# Altium PCB ZYNQ_IPMC.PcbDoc (part 3 of 6)
Units mil, origin at the board's own origin, x right, y up, seen from the top; angles counter-clockwise.
Board outline 3228.35 x 1181.1 mil, 10 copper layers (Component Side, Ground Plane 1 (GND), Inner Layer 1, Inner Layer 2, Power Plane 1, Power Plane 2, Inner Layer 3, Inner Layer 4, Power Plane 3, Solder Side), stack 39.78 mil thick; 308 components, 335 nets, 1514 pads, 1113 vias.
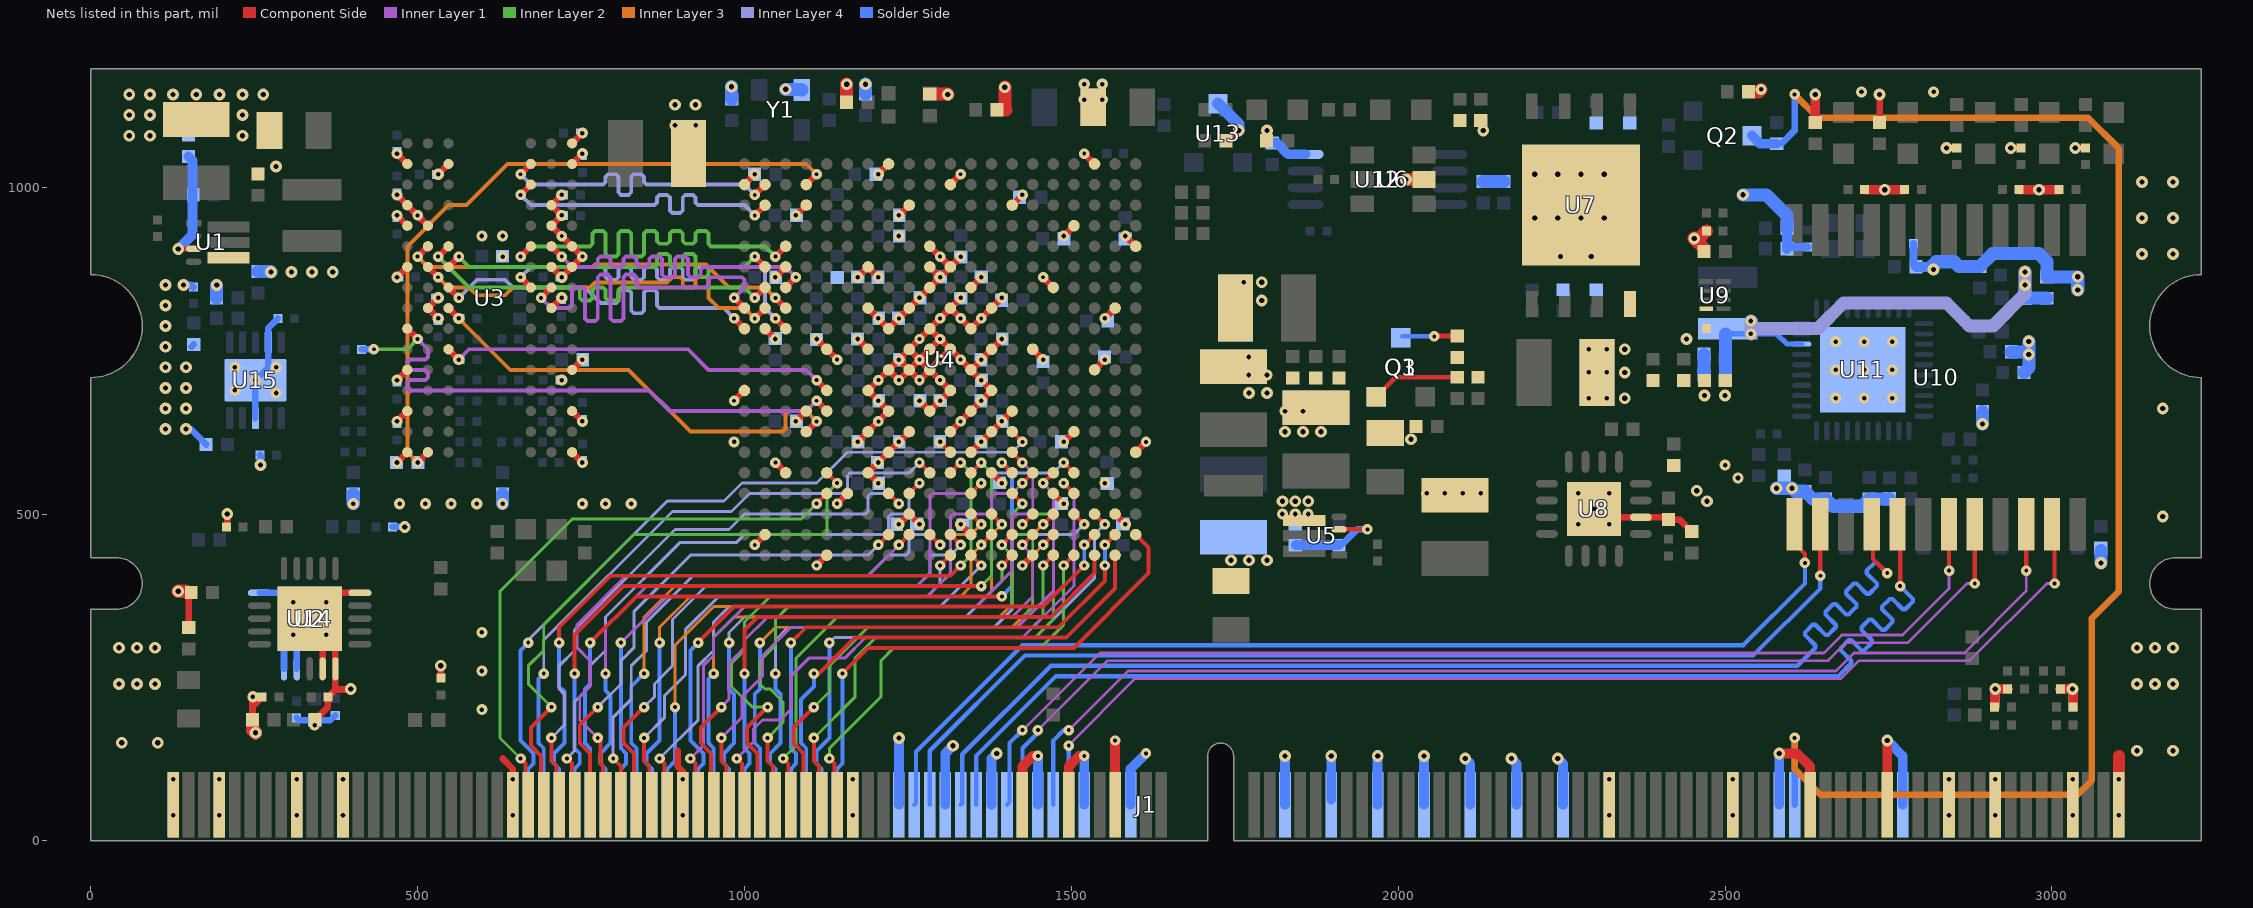
[diagram p11: the nets of this part, all layers, seen from the top]

## Via types
v1: diameter 16, hole 6, Component Side to Solder Side, tented both sides, 528 vias
v2: diameter 17, hole 7, Component Side to Solder Side, tented both sides, 302 vias
v3: diameter 18, hole 8, Component Side to Solder Side, tented both sides, 268 vias
v4: diameter 17, hole 7, Component Side to Solder Side, tented top, 13 vias
v5: diameter 16, hole 6, Component Side to Solder Side, tented top, 2 vias

## Nets (pads, with @x,y where several pads share a name; then routed paths per layer and width w, separated by ;. In a path a pad name is that pad's centre, name@x,y a point inside that pad or via, vN(x,y) a via of type N, cw(c..) or ccw(c..) an arc to the next point about the centre after c; other vN are vias at no path point) (continued)
DDR3_DQ9: U3.F7 U4.E3 | length 684.7
  Component Side w9.5: v1(657.48,893.7) U3.F7@673.23,909.45 ; v1(1047.24,893.7) U4.E3@1062.99,909.45
  Inner Layer 2 w6: v1(657.48,893.7) 673.23,909.45 763.78,909.45 767.72,913.39 767.72,929.13 771.65,933.07 783.46,933.07 787.4,929.13 787.4,897.64 791.34,893.7 803.15,893.7 807.09,897.64 807.09,929.13 811.02,933.07 822.83,933.07 826.77,929.13 826.77,897.64 830.71,893.7 842.52,893.7 846.46,897.64 846.46,929.13 850.39,933.07 862.2,933.07 866.14,929.13 866.14,917.32 870.08,913.39 881.89,913.39 885.83,917.32 885.83,929.13 889.76,933.07 901.57,933.07 905.51,929.13 905.51,917.32 909.45,913.39 921.26,913.39 925.2,917.32 925.2,929.13 929.13,933.07 940.94,933.07 944.88,929.13 944.88,913.39 948.82,909.45 1031.5,909.45 v1(1047.24,893.7)
DDR3_DQ10: U3.F8 U4.G3 | length 563.3
  Component Side w9.5: U3.F8@704.72,909.45 v1(720.47,893.7) ; U4.G3@1062.99,846.46 v1(1078.74,862.2)
  Inner Layer 1 w6: v1(720.47,893.7) 736.22,877.95 771.65,877.95 775.59,881.89 775.59,889.76 779.53,893.7 791.34,893.7 795.28,889.76 795.28,881.89 799.21,877.95 811.02,877.95 814.96,881.89 814.96,889.76 818.9,893.7 830.71,893.7 834.65,889.76 834.65,881.89 838.58,877.95 850.39,877.95 854.33,881.89 854.33,889.76 858.27,893.7 870.08,893.7 874.02,889.76 874.02,866.14 877.95,862.2 889.76,862.2 893.7,866.14 893.7,889.76 897.64,893.7 909.45,893.7 913.39,889.76 913.39,866.14 917.32,862.2 929.13,862.2 933.07,866.14 933.07,874.02 937.01,877.95 1062.99,877.95 v1(1078.74,862.2)
DDR3_DQ11: U3.F2 U4.H3 | length 621.1
  Component Side w9.5: v1(500,893.7) U3.F2@515.75,909.45 ; v1(1047.24,830.71) U4.H3@1062.99,814.96
  Inner Layer 3 w6: v1(500,893.7) 515.75,877.95 767.72,877.95 771.65,881.89 940.94,881.89 976.38,846.46 1031.5,846.46 v1(1047.24,830.71)
DDR3_DQ12: U3.H7 U4.J3 | length 628.6
  Component Side w9.5: v1(657.48,862.2) U3.H7@673.23,846.46 ; v1(1047.24,799.21) U4.J3@1062.99,783.46
  Inner Layer 4 w6: v1(657.48,862.2) 673.23,877.95 783.46,877.95 787.4,874.02 787.4,862.2 791.34,858.27 803.15,858.27 807.09,862.2 807.09,874.02 811.02,877.95 822.83,877.95 826.77,874.02 826.77,862.2 830.71,858.27 842.52,858.27 846.46,862.2 846.46,874.02 850.39,877.95 862.2,877.95 866.14,874.02 866.14,862.2 870.08,858.27 881.89,858.27 885.83,862.2 885.83,874.02 889.76,877.95 901.57,877.95 905.51,874.02 905.51,862.2 909.45,858.27 921.26,858.27 925.2,862.2 925.2,874.02 929.13,877.95 1027.56,877.95 1031.5,874.02 1031.5,814.96 v1(1047.24,799.21)
DDR3_DQ13: U3.G2 U4.H2 | length 616.1
  Component Side w9.5: U3.G2@515.75,877.95 v1(531.5,862.2) ; v1(1015.75,799.21) U4.H2@1031.5,814.96
  Inner Layer 3 w6: v1(531.5,862.2) 547.24,846.46 578.74,846.46 590.55,834.65 633.86,834.65 645.67,846.46 763.78,846.46 771.65,854.33 881.89,854.33 889.76,862.2 901.57,862.2 905.51,858.27 905.51,850.39 909.45,846.46 921.26,846.46 925.2,850.39 925.2,858.27 929.13,862.2 940.94,862.2 944.88,858.27 944.88,830.71 960.63,814.96 1000,814.96 v1(1015.75,799.21)
DDR3_DQ14: U3.H8 U4.H1 | length 696.2
  Component Side w9.5: v1(688.98,830.71) U3.H8@704.72,846.46 ; v1(984.25,830.71) U4.H1@1000,814.96
  Inner Layer 1 w6: v1(688.98,830.71) 704.72,814.96 732.28,814.96 736.22,818.9 736.22,842.52 740.16,846.46 751.97,846.46 755.91,842.52 755.91,799.21 759.84,795.28 771.65,795.28 775.59,799.21 775.59,862.2 779.53,866.14 791.34,866.14 795.28,862.2 795.28,799.21 799.21,795.28 811.02,795.28 814.96,799.21 814.96,862.2 818.9,866.14 830.71,866.14 834.65,862.2 834.65,850.39 838.58,846.46 940.94,846.46 944.88,850.39 944.88,858.27 948.82,862.2 996.06,862.2 1000,858.27 1000,846.46 v1(984.25,830.71)
DDR3_DQ15: U3.H3 U4.J1 | length 598.1
  Component Side w9.5: U3.H3@547.24,846.46 v1(562.99,830.71) ; v1(984.25,799.21) U4.J1@1000,783.46
  Inner Layer 4 w6: v1(562.99,830.71) 590.55,858.27 633.86,858.27 645.67,846.46 755.91,846.46 779.53,822.83 803.15,822.83 807.09,826.77 807.09,838.58 811.02,842.52 822.83,842.52 826.77,838.58 826.77,811.02 830.71,807.09 842.52,807.09 846.46,811.02 846.46,838.58 850.39,842.52 862.2,842.52 866.14,838.58 866.14,818.9 870.08,814.96 968.5,814.96 v1(984.25,799.21)
DDR3_DQS0_N: U3.B7 U4.B2 | length 491.9
  Component Side w9.5: v1(657.48,1019.68) U3.B7@673.23,1035.43 ; v1(1015.75,988.19) U4.B2@1031.5,1003.94
  Inner Layer 4 w6: v1(657.48,1019.68) 673.23,1003.94 783.46,1003.94 787.4,1007.87 787.4,1015.75 791.34,1019.68 803.15,1019.68 807.09,1015.75 807.09,992.13 811.02,988.19 822.83,988.19 826.77,992.13 826.77,1015.75 830.71,1019.68 842.52,1019.68 846.46,1015.75 846.46,1007.87 850.39,1003.94 1000,1003.94 v1(1015.75,988.19)
DDR3_DQS0_P: U3.C7 U4.C2 | length 484
  Component Side w9.5: v1(657.48,988.19) U3.C7@673.23,1003.94 ; v1(1015.75,956.69) U4.C2@1031.5,972.44
  Inner Layer 4 w6: v1(657.48,988.19) 673.23,972.44 862.2,972.44 866.14,976.38 866.14,984.25 870.08,988.19 881.89,988.19 885.83,984.25 885.83,964.57 889.76,960.63 901.57,960.63 905.51,964.57 905.51,984.25 909.45,988.19 921.26,988.19 925.2,984.25 925.2,976.38 929.13,972.44 1000,972.44 v1(1015.75,956.69)
DDR3_DQS1_N: U3.G3 U4.F2 | length 597.5
  Component Side w9.5: U3.G3@547.24,877.95 v1(562.99,893.7) ; v1(1015.75,893.7) U4.F2@1031.5,877.95
  Inner Layer 2 w6: v1(562.99,893.7) 578.74,877.95 862.2,877.95 866.14,881.89 866.14,893.7 870.08,897.64 881.89,897.64 885.83,893.7 885.83,881.89 889.76,877.95 901.57,877.95 905.51,881.89 905.51,893.7 909.45,897.64 921.26,897.64 925.2,893.7 925.2,866.14 929.13,862.2 940.94,862.2 944.88,866.14 944.88,874.02 948.82,877.95 1000,877.95 v1(1015.75,893.7)
DDR3_DQS1_P: U3.F3 U4.G2 | length 615.2
  Component Side w9.5: v1(531.5,893.7) U3.F3@547.24,909.45 ; v1(1015.75,830.71) U4.G2@1031.5,846.46
  Inner Layer 2 w6: v1(531.5,893.7) 578.74,846.46 744.09,846.46 748.03,842.52 748.03,830.71 751.97,826.77 763.78,826.77 767.72,830.71 767.72,842.52 771.65,846.46 783.46,846.46 787.4,842.52 787.4,830.71 791.34,826.77 803.15,826.77 807.09,830.71 807.09,842.52 811.02,846.46 1000,846.46 v1(1015.75,830.71)
DDR3_ODT: R114.1 U3.K1 U4.N5 | length 945.9
  Component Side w9.5: U3.K1@484.25,783.46 v1(500,767.72) ; v1(1110.24,673.23) U4.N5@1125.98,657.48
  Inner Layer 1 w6: v1(500,767.72) 515.75,751.97 515.75,740.16 511.81,736.22 488.19,736.22 484.25,732.28 484.25,724.41 488.19,720.47 511.81,720.47 515.75,716.54 515.75,708.66 511.81,704.72 488.19,704.72 484.25,700.79 484.25,692.91 488.19,688.98 854.33,688.98 885.83,657.48 1094.49,657.48 v1(1110.24,673.23)
  Inner Layer 2 w6: v1(433.07,751.97) 484.25,751.97 v1(500,767.72)
  Solder Side w9.5: R114.1@414.37,751.97 v1(433.07,751.97)
DDR3_RAS#: R107.1 U3.J3 U4.P4 | length 696.9
  Component Side w9.5: U3.J3@547.24,814.96 v2(562.99,799.21) ; U4.P4@1094.49,625.98 v1(1110.24,641.73)
  Inner Layer 3 w6: v2(562.99,799.21) 641.73,720.47 822.83,720.47 917.32,625.98 1059.06,625.98 1062.99,629.92 1062.99,653.54 1066.93,657.48 1094.49,657.48 v1(1110.24,641.73)
DDR3_RESET#: R108.2 U3.T2 U4.B4 | length 1066.5
  Component Side w9.5: v2(500,578.74) U3.T2@515.75,594.49 ; U4.B4@1094.49,1003.94 v1(1110.24,1019.68)
  Inner Layer 3 w6: v2(500,578.74) 484.25,594.49 484.25,909.45 547.24,972.44 574.8,972.44 637.8,1035.43 1094.49,1035.43 v1(1110.24,1019.68)
DDR3_WE#: R105.1 U3.L3 U4.M5 | length 617.9
  Component Side w9.5: U3.L3@547.24,751.97 v2(562.99,736.22) ; v1(1110.24,704.72) U4.M5@1125.98,688.98
  Inner Layer 1 w6: v2(562.99,736.22) 578.74,751.97 913.39,751.97 944.88,720.47 1094.49,720.47 v1(1110.24,704.72)
DONE: R79.1 U4.R11 | length 22.3
  Component Side w6.5: v4(1299.21,610.24) U4.R11@1314.96,594.49
DVDDL: C48.2 C59.2 C60.2 L5.1 L7.1 U11.38 | length 782.9
  Inner Layer 4 w20: v2(2539.37,775.59) v2@2539.37,783.46 ; v2(2539.37,795.28) v2@2539.37,783.46 ; v3(2958.66,870.08) v3(2958.66,850.39) 2958.66,836.61 2909.45,787.4 2874.02,787.4 2866.14,795.28 2838.58,822.83 2681.1,822.83 2641.73,783.46 v2@2539.37,783.46
  Solder Side w8: L7.1@2500.59,775.59 2503.94,775.59 v2(2539.37,775.59) 2578.74,775.59 2594.49,759.84 U11.38@2617.13,759.84
  Solder Side w20: C59.2@2500.59,712.6 C60.2@2500.59,744.09 L7.1@2500.59,775.59 ; v3(2958.66,870.08) v3(2958.66,850.39) L5.1@2958.66,830.71 2959.25,830.12 C48.2@2992.13,830.12
EN_3.3V_1: Q3.3 R17.1 | length 84.7
  Component Side w7: v1(2055.12,771.65) 2055.71,772.24 R17.1@2090.55,772.24
  Solder Side w7: Q3.3@2006.1,771.65 v1(2055.12,771.65)
EN_3.3V_IO: C28.2 Q1.1 R17.2 R18.2 | length 136.4
  Component Side w7: Q1.1@1966.54,679.33 1996.46,709.25 R18.2@2090.55,709.25
EXT_RST_N: J1.223 Q2.3 R62.2 | length 2277.4
  Inner Layer 3 w10: v1(2606.3,157.48) 2606.3,110.24 2645.67,70.87 3039.37,70.87 3061.02,92.52 3061.02,340.55 3102.36,381.89 3102.36,1059.06 3055.12,1106.3 2641.73,1106.3 v1(2606.3,1141.73)
  Solder Side w10: R62.2@2578.74,1066.34 2579.33,1066.93 2586.61,1066.93 2606.3,1086.61 v1(2606.3,1141.73) ; J1.223@2606.3,55.12 v1(2606.3,157.48)
  Solder Side w15: Q2.3@2541.14,1078.74 2553.54,1066.34 R62.2@2578.74,1066.34
FB_1.0: R72.1 R74.2 U5.3 | length 164.7
  Component Side w7: U5.3@1909.45,476.38 v1(1952.76,476.38)
  Solder Side w7: R74.2@1842.52,452.17 R74.2@1843.11,452.76 ; R72.1@1909.45,452.76 1915.35,452.76 R72.1@1915.35,454.72
  Solder Side w10: R72.1@1915.35,454.72 1937.01,476.38 v1(1952.76,476.38)
  Solder Side w15: R74.2@1843.11,452.76 R72.1@1909.45,452.76
FB_1.5: R118.1 R120.2 U1.3 | length 176.2
  Component Side w8: v3(133.86,905.51) U1.3@157.48,905.51
  Solder Side w15: v3(133.86,905.51) 155.51,927.17 155.51,988.19 155.51,1040.75 R120.2@149.61,1046.65
GB_A_N: J1.172 U10.14 | length 1650.8
  Component Side w6.5: v1(2645.67,405.51) 2645.67,470.27 2652.66,477.26 2653.35,477.95 U10.14@2647.64,483.66
  Solder Side w6.5: J1.172@1283.46,55.12 1283.46,137.8 1429.13,283.46 2542.92,283.46 2645.67,386.21 v1(2645.67,405.51)
GB_A_P: J1.171 U10.13 | length 1613.3
  Component Side w6.5: U10.13@2608.27,452.76 2622.05,438.98 v1(2622.05,425.2)
  Solder Side w6.5: J1.171@1259.84,55.12 1262.34,57.62 1262.34,136.36 1425.2,299.21 2527.56,299.21 2622.05,393.7 v1(2622.05,425.2)
GB_B_N: J1.175 U10.17 | length 1852.3
  Component Side w6.5: v1(2767.72,389.76) 2767.72,444.88 U10.17@2771.65,448.82
  Solder Side w6.5: J1.175@1354.33,55.12 1354.33,129.92 1476.38,251.97 2673.23,251.97 2692.91,271.65 2692.91,275.59 2677.17,291.34 2677.17,295.28 2688.98,307.09 2692.91,307.09 2708.66,291.34 2712.6,291.34 2724.41,303.15 2724.41,307.09 2708.66,322.83 2708.66,326.77 2720.47,338.58 2724.41,338.58 2740.16,322.83 2744.09,322.83 2755.91,334.65 2755.91,338.58 2740.16,354.33 2740.16,358.27 2751.97,370.08 2755.91,370.08 2771.65,354.33 2775.59,354.33 2787.4,366.14 2787.4,370.08 v1(2767.72,389.76) ; v1@2765.75,391.73 v1(2767.72,389.76) ; v1@2767.52,393.51 2767.72,393.32 v1(2767.72,389.76)
GB_B_P: J1.174 U10.16 | length 1887.7
  Component Side w6.5: U10.16@2726.38,483.66 2726.38,431.1 v1(2748.03,409.45)
  Solder Side w6.5: J1.174@1330.71,55.12 1333.21,57.62 1333.21,132.42 1468.5,267.72 2610.24,267.72 2637.8,295.28 2637.8,299.21 2622.05,314.96 2622.05,318.9 2633.86,330.71 2637.8,330.71 2653.54,314.96 2657.48,314.96 2669.29,326.77 2669.29,330.71 2653.54,346.46 2653.54,350.39 2665.35,362.2 2669.29,362.2 2685.04,346.46 2688.98,346.46 2700.79,358.27 2700.79,362.2 2685.04,377.95 2685.04,381.89 2696.85,393.7 2700.79,393.7 2716.54,377.95 2720.47,377.95 2732.28,389.76 2732.28,393.7 2716.54,409.45 2716.54,413.39 2728.35,425.2 2732.28,425.2 v1(2748.03,409.45)
GB_C_N: J1.178 U10.20 | length 1740.5
  Component Side w6.5: v1(2881.89,393.7) U10.20@2881.89,484.25
  Inner Layer 1 w4: v1(1448.82,169.29) 1555.12,275.59 2657.48,275.59 2685.04,303.15 2779.53,303.15 2870.08,393.7 v1(2881.89,393.7)
  Solder Side w6.5: J1.178@1425.2,55.12 1425.2,141.73 1448.82,165.35 v1(1448.82,169.29)
GB_C_P: J1.177 U10.19 | length 1729.4
  Component Side w6.5: v1(2842.52,413.39) U10.19@2842.52,484.25
  Inner Layer 1 w4: v1(1425.2,169.29) 1426.01,169.29 1544.12,287.4 2651.02,287.4 2678.58,314.96 2771.65,314.96 2842.52,385.83 v1(2842.52,413.39)
  Solder Side w6.5: J1.177@1401.57,55.12 1405.51,59.05 1405.51,149.61 v1(1425.2,169.29)
GB_D_N: J1.181 U10.23 | length 1793.8
  Component Side w6.5: U10.23@3000,484.25 3003.94,480.32 v1(3003.94,393.7)
  Inner Layer 1 w4: v1(1496.06,145.67) 1496.06,146.48 1597.61,248.03 2677.17,248.03 2704.72,275.59 2874.02,275.59 2992.13,393.7 v1(3003.94,393.7)
  Solder Side w6.5: J1.181@1496.06,55.12 v1(1496.06,145.67)
GB_D_P: J1.180 U10.22 | length 1784.6
  Component Side w6.5: v1(2960.63,413.39) U10.22@2960.63,484.25
  Inner Layer 1 w4: v1(1496.06,169.29) 1586.61,259.84 2669.29,259.84 2696.85,287.4 2866.14,287.4 2960.63,381.89 v1(2960.63,413.39)
  Solder Side w6.5: J1.180@1472.44,55.12 1472.44,153.54 1488.19,169.29 v1@1493.54,169.29 ; v1@1493.54,166.77 v1(1496.06,169.29)
GND: C1.2 C2.1 C3.1 C4.1 C5.2 C6.1 C7.1 C8.1 C9.1 C10.1 C11.2 C12.2 C13.2 C14.2 C15.1 C16.2 C17.2 C18.2 C19.2 C20.2 C21.2 C22.2 C23.2 C24.1 C25.2 C26.2 C27.2 C29.2 C30.2 C31.1 C32.2 C33.2 C34.2 C35.1 C36.1 C37.1 C38.2 C39.2 C40.2 C41.2 C42.1 C43.2 C44.1 C45.2 C46.1 C47.1 C48.1 C49.1 C50.1 C51.1 C52.1 C53.1 C54.1 C55.1 C56.1 C57.1 C58.1 C59.1 C60.1 C61.2 C62.2 C63.2 C64.2 C65.2 C66.2 C67.2 C68.2 C69.2 C70.2 C71.2 C72.2 C73.2 C74.2 C75.2 C76.2 C77.2 C78.2 C79.2 C80.2 C81.2 C82.2 C83.2 C84.2 C85.2 C86.2 C87.2 C88.2 C89.2 C90.2 C91.1 C92.2 C93.2 C94.2 C95.2 C96.2 C97.2 C98.2 C99.2 C100.2 C101.2 C102.2 C103.2 C104.2 C105.2 C106.2 C107.2 C108.2 C109.2 C110.1 C111.1 C112.2 C113.2 C114.2 C115.2 C116.2 C117.1 C118.2 C119.2 C120.2 C121.2 C122.2 C123.2 C124.2 C125.1 C126.2 C127.1 C128.1 C129.2 C130.2 C131.1 C132.2 C133.2 C134.2 C135.2 C136.2 C137.2 C138.1 C139.1 C140.1 C141.1 C142.1 C143.1 C144.1 C145.1 C146.1 C147.1 C148.1 C149.1 J1.1 J1.4 J1.9 J1.12 J1.23 J1.34 J1.45 J1.56 J1.59 J1.62 J1.89 J1.97 J1.102 J1.107 J1.111 J1.114 J1.119 J1.122 J1.123 J1.126 J1.131 J1.134 J1.145 J1.156 J1.167 J1.170 J1.173 J1.176 J1.179 J1.182 J1.185 J1.190 J1.193 J1.196 J1.199 J1.202 J1.205 J1.208 J1.211 J1.219 J1.222 J1.230 J1.233 J1.236 J1.241 J1.244 Q3.2 R3.1 R8.2 R21.1 R22.2 R24.2 R25.2 R30.1 R31.1 R34.1 R37.1 R41.1 R42.1 R44.1 R47.1 R55.2 R57.1 R59.1 R60.1 R61.1 R66.1 R67.1 R68.1 R69.1 R74.1 R81.1 R84.1 R86.1 R88.1 R108.1 R119.1 R120.1 U1.5 U2.4 U2.5 U2.10 U2.21 U3.A9 U3.B1 U3.B3 U3.B9 U3.D1 U3.D8 U3.E1 U3.E2 U3.E8 U3.F9 U3.G1 U3.G8 U3.G9 U3.J2 U3.J8 U3.M1 U3.M9 U3.P1 U3.P9 U3.T1 U3.T9 U4.A8 U4.A18 U4.B1 U4.B11 U4.C4 U4.C9 U4.C14 U4.D17 U4.E10 U4.E20 U4.F3 U4.F7 U4.F10 U4.F11 U4.G10 U4.G12 U4.G16 U4.H7 U4.H9 U4.H11 U4.H13 U4.H19 U4.J2 U4.J8 U4.J10 U4.J12 U4.K5 U4.K7 U4.K9 U4.K10 U4.K11 U4.K13 U4.K15 U4.L8 U4.L9 U4.L10 U4.L12 U4.L18 U4.M1 U4.M7 U4.M11 U4.M13 U4.N4 U4.N8 U4.N10 U4.N12 U4.N14 U4.P7 U4.P9 U4.P11 U4.P13 U4.P17 U4.R8 U4.R12 U4.R20 U4.T3 U4.T7 U4.T13 U4.U6 U4.U16 U4.V9 U4.V19 U4.W2 U4.W12 U4.Y5 U4.Y15 U5.5 U6.2 U7.4 U7.9 U8.6 U8.17 U9.4 U11.41 U12.4 U13.3 U14.4 U14.5 U14.10 U14.21 U15.4 U15.8 U15.11 Y1.2 | length 8385.2
  Component Side w10: R3.1@150,326.34 C2.1@150,377.72 ; C3.1@207.68,480.31 208.66,481.3 v3(208.66,500) v3@207.68,499.02 ; C4.1@247.44,185.04 247.44,205.24 ; C7.1@257.32,215.12 255.35,213.15 247.44,205.24 ; C8.1@343.11,185.04 362.8,204.72 C9.1@362.8,220 374.37,231.57 ; U2.4@354.68,263.23 354.68,315 U2.21@354.68,318.35 ; v3(397.64,232.28) 396.93,231.57 374.37,231.57 ; U2.10@411.77,379.37 374.37,379.37 v2(360,365) v2(335,340) 356.65,318.35 v2(360,315) 374.37,300.63 U2.5@374.37,263.23 374.37,231.57 ; v2(468.5,578.74) U3.T1@484.25,594.49 ; v2(468.5,641.73) U3.P1@484.25,657.48 ; v2(468.5,704.72) U3.M1@484.25,720.47 ; v2(468.5,862.2) U3.G1@484.25,877.95 ; v2(468.5,956.69) U3.E1@484.25,940.94 ; v2(468.5,988.19) U3.D1@484.25,972.44 v1(500,956.69) U3.E2@515.75,940.94 ; v2(468.5,1051.18) U3.B1@484.25,1035.43 ; v2(531.5,799.21) U3.J2@515.75,814.96 v2(531.5,830.71) ; v2(531.5,1019.68) U3.B3@547.24,1035.43 ; C10.1@535.43,249.02 v3(535.43,267.72) ; 629.92,125.98 645.67,110.24 v2(645.67,94.49) ; U3.J8@704.72,814.96 v2(720.47,830.71) ; U3.G8@704.72,877.95 v2(720.47,862.2) U3.G9@736.22,877.95 v1(751.97,893.7) U3.F9@736.22,909.45 v1(720.47,925.2) U3.E8@704.72,940.94 v2(720.47,956.69) U3.D8@704.72,972.44 v2(720.47,988.19) ; U3.T9@736.22,594.49 v2(751.97,578.74) ; U3.P9@736.22,657.48 v2(751.97,641.73) ; U3.M9@736.22,720.47 v2(751.97,736.22) ; U3.B9@736.22,1035.43 v2(751.97,1051.18) ; U3.A9@736.22,1066.93 v2(751.97,1082.68) ; 897.64,137.8 897.64,114.17 905.51,106.3 v2(905.51,94.49) J1.34@905.51,55.12 ; v1(984.25,673.23) U4.M1@1000,688.98 ; U4.B1@1000,1003.94 v2(1015.75,1019.68) ; v1(1015.75,452.76) U4.W2@1031.5,468.5 ; U4.J2@1031.5,783.46 v2(1047.24,767.72) ; v1(1047.24,578.74) U4.T3@1062.99,562.99 ; v2(1047.24,862.2) U4.F3@1062.99,877.95 ; v2(1078.74,641.73) U4.N4@1094.49,657.48 ; v2(1078.74,956.69) U4.C4@1094.49,972.44 ; v1(1110.24,421.26) U4.Y5@1125.98,437.01 ; v2(1110.24,767.72) U4.K5@1125.98,751.97 v1(1141.73,736.22) ; v1(1141.73,515.75) U4.U6@1157.48,531.5 ; v2(1165.35,39.37) J1.45@1165.35,55.12 v2(1165.35,94.49) ; v2(1173.23,610.24) U4.P7@1188.98,625.98 v1(1204.72,641.73) U4.N8@1220.47,657.48 v2(1204.72,673.23) U4.M7@1188.98,688.98 v1(1204.72,704.72) U4.L8@1220.47,720.47 ; v2(1173.23,767.72) U4.K7@1188.98,751.97 ; v2(1173.23,862.2) U4.F7@1188.98,877.95 v2(1204.72,862.2) ; U4.H7@1188.98,814.96 v2(1204.72,799.21) U4.J8@1220.47,783.46 v1(1236.22,799.21) U4.H9@1251.97,814.96 v2(1267.72,830.71) U4.G10@1283.46,846.46 v2(1299.21,862.2) ; v2(1204.72,547.24) U4.T7@1188.98,562.99 v2(1204.72,578.74) U4.R8@1220.47,594.49 v2(1236.22,610.24) U4.P9@1251.97,625.98 ; v2(1204.72,1019.68) U4.A8@1220.47,1035.43 ; v2(1236.22,484.25) U4.V9@1251.97,500 v2(1267.72,484.25) ; v2(1236.22,956.69) U4.C9@1251.97,972.44 ; v2(1267.72,673.23) U4.N10@1283.46,657.48 v2(1299.21,673.23) U4.M11@1314.96,688.98 v1(1299.21,704.72) U4.L10@1283.46,720.47 ; U4.F10@1283.46,877.95 v2(1299.21,862.2) ; U4.E10@1283.46,909.45 v1(1299.21,893.7) U4.F11@1314.96,877.95 ; U4.P11@1314.96,625.98 v1(1330.71,641.73) U4.N12@1346.46,657.48 v2(1362.2,673.23) U4.M13@1377.95,688.98 v2(1362.2,704.72) U4.L12@1346.46,720.47 ; U4.B11@1314.96,1003.94 v1(1330.71,1019.68) ; v2(1330.71,484.25) U4.W12@1346.46,468.5 ; v2(1330.71,830.71) U4.H11@1314.96,814.96 ; v2(1330.71,893.7) U4.F11@1314.96,877.95 ; U4.R12@1346.46,594.49 v2(1362.2,610.24) U4.P13@1377.95,625.98 v2(1393.7,641.73) U4.N14@1409.45,657.48 ; U4.G12@1346.46,846.46 v2(1362.2,862.2) ; U4.T13@1377.95,562.99 v2(1393.7,547.24) ; v2(1393.7,767.72) U4.K13@1377.95,751.97 v2(1362.2,736.22) U4.L12@1346.46,720.47 ; v2(1393.7,830.71) U4.H13@1377.95,814.96 v1(1362.2,799.21) U4.J12@1346.46,783.46 v1(1330.71,799.21) U4.H11@1314.96,814.96 ; U4.C14@1409.45,972.44 v2(1425.2,988.19) ; v1(1425.2,421.26) U4.Y15@1440.94,437.01 ; U4.K15@1440.94,751.97 v2(1456.69,736.22) ; v1(1456.69,862.2) U4.G16@1472.44,846.46 ; U4.U16@1472.44,531.5 v2(1488.19,515.75) ; v2(1488.19,610.24) U4.P17@1503.94,625.98 ; v2(1488.19,925.2) U4.D17@1503.94,940.94 ; v1(1519.68,1051.18) U4.A18@1535.43,1035.43 ; U4.L18@1535.43,720.47 v2(1551.18,736.22) ; v2(1551.18,799.21) U4.H19@1566.93,814.96 ; U4.V19@1566.93,500 v2(1582.68,484.25) ; v2(1582.68,925.2) U4.E20@1598.43,909.45 ; U4.R20@1598.43,594.49 v1(1614.17,610.24) ; C15.1@1736.81,1070.87 1740.16,1070.87 v3(1755.91,1086.61) ; v2(2299.21,507.87) 2312.01,495.08 2322.83,495.08 U8.6@2371.06,495.08 2409.84,495.08 C32.2@2413.39,491.54 2430.31,491.54 C33.2@2448.82,473.03 ; R25.2@2736.22,1099.02 v3(2736.22,1141.73) ; v3(2838.58,1060.04) C42.1@2854.33,1060.04 ; v3(2937.01,1060.04) C44.1@2952.76,1060.04 ; v3(3035.43,1060.04) C46.1@3051.18,1060.04 ; 247.44,205.24 247.44,217.13 246.06,218.5 244.57,220 245.04,220.47 v2(248.03,220.47) C7.1@261.73,220.47 ; C7.1@261.73,220.47 C7.1@262.2,220 C7.1@261.73,220.47 ; U4.L8@1220.47,720.47 v1(1236.22,704.72) U4.L9@1251.97,720.47 ; U4.L8@1220.47,720.47 v2(1236.22,736.22) ; v2(1236.22,736.22) U4.L9@1251.97,720.47 ; v2(1236.22,736.22) U4.K9@1251.97,751.97 ; U4.L9@1251.97,720.47 v1(1267.72,704.72) U4.L10@1283.46,720.47 ; U4.L9@1251.97,720.47 v1(1267.72,736.22) ; U4.K9@1251.97,751.97 v1(1267.72,767.72) U4.J10@1283.46,783.46 ; U4.K9@1251.97,751.97 v1(1267.72,736.22) ; v1(1267.72,736.22) U4.K10@1283.46,751.97 v1(1299.21,767.72) ; v1(1267.72,736.22) U4.L10@1283.46,720.47 ; U4.L10@1283.46,720.47 v1(1299.21,736.22) U4.K11@1314.96,751.97 ; U4.J10@1283.46,783.46 v1(1299.21,767.72) ; U4.J10@1283.46,783.46 v1(1299.21,799.21) U4.H11@1314.96,814.96 ; v1(1299.21,767.72) U4.K11@1314.96,751.97 ; v2(1299.21,862.2) U4.F11@1314.96,877.95 ; U4.K11@1314.96,751.97 v1(1330.71,736.22) U4.L12@1346.46,720.47
  Component Side w12: J1.23@645.67,55.12 v2(645.67,94.49) ; v2(905.51,39.37) J1.34@905.51,55.12
  Component Side w14: C40.2@2713.58,996.06 v3(2744.09,996.06) C41.2@2774.61,996.06 ; C43.2@2949.8,996.06 v3(2980.31,996.06) C45.2@3010.83,996.06
  Component Side w15: v2(125.98,39.37) J1.1@125.98,55.12 v2(125.98,94.49) ; v2(196.85,39.37) J1.4@196.85,55.12 v2(196.85,94.49) ; v2(314.96,39.37) J1.9@314.96,55.12 v2(314.96,94.49) ; v2(385.83,39.37) J1.12@385.83,55.12 ; J1.56@1425.2,55.12 1425.2,114.17 1440.94,129.92 v1(1448.82,129.92) ; J1.59@1496.06,55.12 1496.06,114.17 1511.81,129.92 v1(1519.69,129.92) ; J1.62@1566.93,55.12 v1(1566.93,153.54) ; v3(2582.68,133.86) 2610.24,133.86 2629.92,114.17 J1.102@2629.92,55.12 ; R24.2@2637.8,1099.02 v3(2637.8,1141.73) ; J1.107@2748.03,55.12 v3(2748.03,153.54) ; R30.1@2912.4,204.72 2912.4,231.3 v3(2913.39,232.28) R31.1@2932.09,232.28 ; R34.1@3012.8,232.28 v3(3031.5,232.28) 3032.48,231.3 R37.1@3032.48,204.72
  Component Side w18: J1.122@3102.36,55.12 v2(3102.36,94.49) 3102.36,129.92
  Component Side w20: v3(133.86,381.89) 145.83,381.89 C2.1@150,377.72 ; C4.1@247.44,185.04 247.44,169.88 v3(251.97,165.35) ; C12.2@1156.3,1129.92 v3(1156.3,1157.48) ; C13.2@1283.46,1142.32 1310.43,1142.32 v3(1311.02,1141.73) ; v3(1398.23,1152.95) 1398.23,1119.49 1399.61,1118.11 ; v3(2011.81,1011.81) U6.2@2039.37,1011.81 ; v3@2452.17,921.85 v3(2452.76,921.26) ; C35.1@2467.91,901.57 2467.91,906.1 v3(2452.76,921.26) ; C37.1@2471.46,933.07 2459.65,921.26 v3(2452.76,921.26) ; C39.2@2536.02,1145.67 2551.18,1145.67 v2(2555.12,1149.61)
  Solder Side w10: v3(141.73,850.39) 152.56,850.39 156.5,846.46 C149.1@157.48,847.44 ; v3(145.67,629.92) 152.95,629.92 C148.1@176.57,606.3 ; R119.1@154.13,755.91 R119.1@157.48,759.25 ; v3@192.32,849.8 v3(192.91,850.39) ; v3@247.44,165.94 248.03,165.35 v3(251.97,165.35) ; U15.8@251.97,646.65 v2(251.97,704.72) 271.65,724.41 U15.4@271.65,762.8 271.65,784.45 C143.1@286.42,799.21 ; v3@255.91,574.8 v3(259.84,574.8) 259.84,589.57 C144.1@258.86,590.55 ; U14.10@258.23,379.37 295.63,379.37 v2(310,365) 313.35,361.65 v2(335,340) 315.31,320.32 315.31,315 U14.4@315.31,263.23 ; U14.5@295.63,263.23 295.63,300.63 v2(310,315) U14.21@313.35,318.35 ; C142.1@314.96,187.99 318.5,184.45 C141.1@342.52,184.45 ; v2(342.52,177.17) C141.1@342.52,184.45 ; C140.1@374.02,191.93 366.54,184.45 C141.1@342.52,184.45 ; C138.1@461.61,480.31 v3(480.31,480.32) ; C125.1@717.52,704.72 v2(720.47,704.72)
  Solder Side w12: v2(645.67,39.37) J1.145@645.67,55.12 v2(645.67,94.49) ; C57.1@2594.49,905.51 2597.44,908.46 C56.1@2625.98,908.46 ; C55.1@2788.39,913.39 2788.39,881.5 R55.2@2791.93,877.95
  Solder Side w15: J1.134@385.83,55.12 v2(385.83,94.49) ; J1.170@1236.22,55.12 v3(1236.22,157.48) ; J1.173@1307.09,55.12 1307.09,133.86 v3(1318.9,145.67) ; J1.176@1377.95,55.12 1377.95,125.98 v3(1385.83,133.86) ; J1.179@1448.82,55.12 v1(1448.82,129.92) ; J1.182@1519.69,55.12 v1(1519.69,129.92) ; J1.185@1590.55,55.12 1590.55,110.24 v1(1614.17,133.86) ; v3(1799.21,1086.61) 1799.21,1075.39 C66.2@1807.09,1067.52 1814.37,1067.52 1831.69,1050.2 U12.4@1858.27,1050.2 ; J1.190@1826.77,55.12 v3(1826.77,129.92) ; J1.193@1897.64,62.99 v3(1897.64,129.92) ; J1.196@1968.5,55.12 v3(1968.5,129.92) ; J1.199@2039.37,55.12 v3(2039.37,129.92) ; v3(2102.36,125.98) 2110.24,118.11 J1.202@2110.24,55.12 ; v3(2173.23,125.98) 2181.1,118.11 J1.205@2181.1,55.12 ; v3(2244.09,125.98) 2251.97,118.11 J1.208@2251.97,55.12 ; J1.222@2582.68,55.12 v3(2582.68,133.86) ; C57.1@2594.49,905.51 C58.1@2594.49,937.01 ; v3(2748.03,153.54) 2771.65,129.92 J1.230@2771.65,55.12 ; R55.2@2791.93,877.95 v3@2814.96,877.95 ; R47.1@2912.4,204.72 2912.4,231.3 v3(2913.39,232.28) R44.1@2932.09,232.28 ; R42.1@3012.8,232.28 v3(3031.5,232.28) 3032.48,231.3 R41.1@3032.48,204.72
  Solder Side w18: U13.3@1724.41,1127.76 1755.91,1096.26 v3(1755.91,1086.61)
  Solder Side w20: C147.1@192.32,830.71 v3@192.32,849.8 ; C145.1@247.44,185.04 247.44,169.88 v3(251.97,165.35) ; C146.1@255.91,870.67 275,870.67 v3(275.59,870.08) ; v2(401.57,515.75) C139.1@401.57,530.91 ; v2(629.92,515.75) C127.1@629.92,530.91 ; C117.1@980.31,1134.45 v3(980.31,1153.54) ; v3(1062.99,1149.61) 1086.61,1149.61 Y1.2@1087.6,1148.62 ; C109.2@1185.04,1142.32 v3(1185.04,1157.48) ; C63.2@2129.92,1008.46 C62.2@2161.42,1008.46 ; C59.1@2467.91,712.6 C60.1@2467.91,744.09 ; v3(2527.56,988.19) 2562.99,988.19 2594.49,956.69 C58.1@2594.49,937.01 ; v3(2578.74,539.37) 2590.55,539.37 v3(2602.36,539.37) 2606.89,534.84 R60.1@2622.05,534.84 2633.86,523.03 R59.1@2653.54,523.03 2654.13,523.03 2665.35,511.81 2709.25,511.81 R57.1@2720.47,523.03 2750.79,523.03 C54.1@2751.38,523.62 ; v3@2814.96,877.95 2822.83,885.83 2850.39,885.83 2857.68,878.54 C53.1@2889.76,878.54 2909.45,898.23 C51.1@2921.26,898.23 2979.72,898.23 2992.13,885.83 C48.1@2992.13,862.8 v3(3039.37,862.8) v3(3039.37,842.52) ; v3(2893.7,637.8) C52.1@2893.7,656.89 ; C50.1@2937.6,748.03 2960.63,748.03 v3(2964.57,744.09) ; C49.1@2957.28,716.54 2964.57,723.82 v3(2964.57,744.09) ; v3(2964.57,763.78) v3(2964.57,744.09) ; v3(3074.8,425.2) C47.1@3074.8,444.29
  other v2: 2322.83,39.37 2511.81,39.37 2842.52,39.37 2913.39,39.37 3031.5,39.37 3102.36,39.37 2322.83,94.49 2511.81,94.49 2842.52,94.49 2913.39,94.49 3031.5,94.49 598.43,200.79 598.43,259.84 310,315 360,315 598.43,318.9 310,365 360,365 2275.59,484.25 2322.83,484.25 1822.83,500 1842.52,500 1862.2,500 472.44,515.75 511.81,515.75 551.18,515.75 590.55,515.75 751.97,515.75 787.4,515.75 826.77,515.75 2043.31,531.5 2070.87,531.5 2098.43,531.5 2125.98,531.5 2275.59,531.5 2322.83,531.5 1551.18,547.24 2519.68,555.12 2500,574.8 984.25,610.24 1826.77,657.48 1854.33,657.48 2291.34,677.17 2318.9,677.17 2669.29,677.17 2712.6,677.17 2755.91,677.17 283.46,685.04 220.47,688.98 1771.65,712.6 1799.21,712.6 2291.34,716.54 2318.9,716.54 2669.29,720.47 2712.6,720.47 2755.91,720.47 220.47,724.41 283.46,724.41 1771.65,740.16 2291.34,751.97 2318.9,751.97 2669.29,763.78 2712.6,763.78 2755.91,763.78 1763.78,854.33 629.92,893.7 598.43,925.2 629.92,925.2 1236.22,925.19 893.7,1094.49 925.2,1094.49 1519.68,1133.86 1547.24,1133.86 2708.66,1145.67 2818.9,1145.67 1519.68,1157.48 1547.24,1157.48
  other v3: 3129.92,137.8 3185.04,137.8 47.44,150 102.56,150 43.31,240.16 70.87,240.16 98.43,240.16 3129.92,240.16 3157.48,240.16 3185.04,240.16 43.31,295.28 70.87,295.28 98.43,295.28 3129.92,295.28 3157.48,295.28 3185.04,295.28 1744.09,429.13 1771.65,429.13 1799.21,429.13 3169.29,496.06 1822.83,519.68 1842.52,519.68 1862.2,519.68 2472.44,519.68 2456.69,535.43 2019.68,614.17 1826.77,625.98 1854.33,625.98 1881.89,625.98 114.17,629.92 114.17,661.42 145.67,661.42 3169.29,661.42 2346.46,677.17 2468.5,681.1 2500,681.1 1771.65,685.04 1799.21,685.04 114.17,692.91 145.67,692.91 2346.46,716.54 114.17,724.41 145.67,724.41 2346.46,751.97 114.17,755.91 2440.94,767.72 114.17,787.4 114.17,818.9 1791.34,826.77 114.17,850.39 1791.34,854.33 307.09,870.08 338.58,870.08 370.08,870.08 2818.9,874.02 2248.03,893.7 2295.28,893.7 3137.8,897.64 3185.04,897.64 2208.66,952.76 2244.09,952.76 2279.53,952.76 2314.96,952.76 3137.8,952.76 3185.04,952.76 3137.8,1007.87 3185.04,1007.87 2208.66,1019.68 2244.09,1019.68 2279.53,1019.68 2314.96,1019.68 283.46,1031.5 59.06,1078.74 90.55,1078.74 232.28,1078.74 2129.92,1086.61 59.06,1110.24 90.55,1110.24 232.28,1110.24 893.7,1125.98 925.2,1125.98 59.06,1141.73 90.55,1141.73 125.98,1141.73 161.42,1141.73 196.85,1141.73 232.28,1141.73 263.78,1141.73
GPIO_0: J1.24 U4.U5 | length 906.7
  Component Side w6: v1(657.48,125.98) 665.35,118.11 665.35,59.06 J1.24@669.29,55.12 ; v1(1110.24,515.75) U4.U5@1125.98,531.5
  Inner Layer 2 w4.5: v1(657.48,125.98) 625.98,157.48 625.98,381.89 736.22,492.13 1086.61,492.13 v1(1110.24,515.75)
GPIO_1: J1.146 U4.P14 | length 1172
  Component Side w6: U4.P14@1409.45,625.98 v1(1425.2,610.24)
  Inner Layer 4 w4.5: v1(669.29,303.15) 669.29,307.09 881.89,519.68 968.5,519.68 996.06,547.24 1110.24,547.24 1157.48,594.49 1409.45,594.49 v1(1425.2,610.24)
  Solder Side w6: J1.146@669.29,55.12 669.29,110.24 677.17,118.11 677.17,133.86 657.48,153.54 657.48,291.34 v1(669.29,303.15)
GPIO_2: J1.25 U4.T5 | length 916.6
  Component Side w6: J1.25@692.91,55.12 688.98,59.06 688.98,129.92 673.23,145.67 673.23,173.23 v1(704.72,204.72) ; U4.T5@1125.98,562.99 v1(1141.73,547.24)
  Inner Layer 2 w4.5: v1(704.72,204.72) 669.29,240.16 669.29,267.72 692.91,291.34 692.91,330.71 830.71,468.5 1122.05,468.5 1125.98,472.44 1125.98,531.5 v1(1141.73,547.24)
GPIO_3: J1.147 U4.T10 | length 981.9
  Component Side w6: v1(1267.72,578.74) U4.T10@1283.46,562.99
  Inner Layer 4 w4.5: v1(692.91,255.91) 692.91,307.09 889.76,503.94 980.31,503.94 1007.87,531.5 1153.54,531.5 1157.48,535.43 1157.48,559.06 1161.42,562.99 1251.97,562.99 v1(1267.72,578.74)
  Solder Side w6: J1.147@692.91,55.12 692.91,141.73 685.04,149.61 685.04,248.03 v1(692.91,255.91)
GPIO_4: J1.26 U4.U8 | length 918.9
  Component Side w6: v1(704.72,157.48) 704.72,122.05 712.6,114.17 712.6,59.06 J1.26@716.54,55.12 ; U4.U8@1220.47,531.5 v1(1236.22,515.75)
  Inner Layer 4 w4.5: v1(704.72,157.48) 724.41,177.17 724.41,224.41 716.54,232.28 716.54,267.72 740.16,291.34 740.16,322.83 893.7,476.38 976.38,476.38 1000,500 1185.04,500 1188.98,503.94 1188.98,527.56 1192.91,531.5 1220.47,531.5 v1(1236.22,515.75)
GPIO_5: J1.148 U4.T11 | length 1130.8
  Component Side w6: v1(716.54,303.15) 716.54,326.77 795.28,405.51 1314.96,405.51 v1(1330.71,421.26) ; U4.T11@1314.96,562.99 v1(1330.71,578.74)
  Inner Layer 2 w4.5: v1(1330.71,421.26) 1346.46,437.01 1346.46,562.99 v1(1330.71,578.74)
  Solder Side w6: J1.148@716.54,55.12 716.54,110.24 708.66,118.11 708.66,133.86 724.41,149.61 724.41,228.35 716.54,236.22 v1(716.54,303.15)
GPIO_6: J1.27 U4.U9 | length 938.1
  Component Side w6: v1@728.35,129.92 v1(728.35,125.98) 736.22,118.11 736.22,59.06 J1.27@740.16,55.12 ; U4.U9@1251.97,531.5 v1(1267.72,547.24)
  Inner Layer 4 w4.5: v1(728.35,125.98) 740.16,137.8 740.16,212.6 763.78,236.22 763.78,267.72 787.4,291.34 787.4,342.52 901.57,456.69 988.19,456.69 1000,468.5 1216.54,468.5 1220.47,472.44 1220.47,496.06 1224.41,500 1248.03,500 1251.97,503.94 1251.97,531.5 v1(1267.72,547.24)
GPIO_7: J1.149 U4.T12 | length 1143.7
  Component Side w6: v1(740.16,255.91) 740.16,314.96 814.96,389.76 v1(1362.2,389.76) ; U4.T12@1346.46,562.99 v1(1362.2,578.74)
  Inner Layer 2 w4.5: v1(1362.2,389.76) 1377.95,405.51 1377.95,562.99 v1(1362.2,578.74)
  Solder Side w6: J1.149@740.16,55.12 740.16,110.24 748.03,118.11 748.03,133.86 740.16,141.73 v1(740.16,255.91)
GPIO_8: J1.28 U4.W8 | length 774.7
  Component Side w6: J1.28@763.78,55.12 763.78,133.86 748.03,149.61 748.03,177.17 v1(775.59,204.72) ; v1(1204.72,452.76) U4.W8@1220.47,468.5
  Inner Layer 4 w4.5: v1(775.59,204.72) 811.02,240.16 811.02,275.59 830.71,295.28 830.71,350.39 917.32,437.01 1188.98,437.01 v1(1204.72,452.76)
GPIO_9: J1.150 U4.T14 | length 1153.9
  Component Side w6: v1(763.78,303.15) 834.65,374.02 v1(1393.7,374.02) ; v1(1393.7,578.74) U4.T14@1409.45,562.99
  Solder Side w6: J1.150@763.78,55.12 763.78,141.73 755.91,149.61 755.91,232.28 763.78,240.16 v1(763.78,303.15) ; v1(1393.7,374.02) 1409.45,389.76 1409.45,562.99 v1(1393.7,578.74)
GPIO_10: J1.29 U4.W9 | length 875.5
  Component Side w6: v1(775.59,157.48) 779.53,153.54 779.53,118.11 783.46,114.17 783.46,59.06 J1.29@787.4,55.12 ; v1(1236.22,452.76) U4.W9@1251.97,468.5
  Inner Layer 1 w4.5: v1(775.59,157.48) 748.03,185.04 748.03,220.47 763.78,236.22 763.78,275.59 744.09,295.28 744.09,330.71 818.9,405.51 1188.98,405.51 v1(1236.22,452.76)
  Inner Layer 2 w4.5: v1(775.59,157.48) v1@775.59,161.42
GPIO_11: J1.151 U4.U12 | length 1042.3
  Component Side w6: U4.U12@1346.46,531.5 v1(1362.2,547.24)
  Inner Layer 1 w4.5: v1(787.4,255.91) 787.4,326.77 850.39,389.76 1263.78,389.76 1283.46,409.45 1283.46,527.56 1287.4,531.5 1346.46,531.5 v1(1362.2,547.24)
  Solder Side w6: J1.151@787.4,55.12 787.4,110.24 779.53,118.11 779.53,133.86 795.28,149.61 795.28,222.44 787.4,230.32 v1(787.4,255.91)
GPIO_12: J1.30 U4.W10 | length 852.5
  Component Side w6: v1(799.21,125.98) 811.02,114.17 J1.30@811.02,55.12 ; U4.W10@1283.46,468.5 v1(1299.21,452.76)
  Inner Layer 4 w4.5: v1(799.21,125.98) 799.21,188.98 826.77,216.54 826.77,267.72 850.39,291.34 850.39,334.65 921.26,405.51 1188.98,405.51 1220.47,437.01 1248.03,437.01 1251.97,440.94 1251.97,464.57 1255.91,468.5 1283.46,468.5 v1(1299.21,452.76)
GPIO_13: J1.152 U4.T15 | length 1056.7
  Component Side w6: v1(1425.2,547.24) U4.T15@1440.94,562.99
  Inner Layer 1 w4.5: v1(811.02,303.15) 881.89,374.02 1279.53,374.02 1314.96,409.45 1314.96,496.06 1318.9,500 1374.02,500 1377.95,503.94 1377.95,527.56 1381.89,531.5 1409.45,531.5 v1(1425.2,547.24)
  Solder Side w6: J1.152@811.02,55.12 811.02,110.24 818.9,118.11 818.9,133.86 811.02,141.73 v1(811.02,303.15)
GPIO_14: J1.31 U4.W11 | length 846.9
  Component Side w6: J1.31@834.65,55.12 830.71,59.06 830.71,133.86 814.96,149.61 814.96,173.23 v1(846.46,204.72) ; U4.W11@1314.96,468.5 v1(1330.71,452.76)
  Inner Layer 4 w4.5: v1(846.46,204.72) 862.2,220.47 862.2,240.16 889.76,267.72 889.76,338.58 940.94,389.76 1263.78,389.76 1283.46,409.45 1283.46,433.07 1287.4,437.01 1314.96,437.01 v1(1330.71,452.76)
GPIO_15: J1.153 U4.V12 | length 927.8
  Component Side w6: U4.V12@1346.46,500 v1(1362.2,484.25)
  Inner Layer 3 w4.5: v1(846.46,255.91) 846.46,342.52 893.7,389.76 1295.28,389.76 1314.96,409.45 1314.96,464.57 1318.9,468.5 1346.46,468.5 v1(1362.2,484.25)
  Solder Side w6: J1.153@834.65,55.12 834.65,141.73 826.77,149.61 826.77,236.22 v1(846.46,255.91)
GPIO_16: J1.32 U4.Y11 | length 767.6
  Component Side w6: v1(846.46,157.48) 846.46,122.05 854.33,114.17 854.33,59.06 J1.32@858.27,55.12 ; v1(1299.21,421.26) U4.Y11@1314.96,437.01
  Inner Layer 4 w4.5: v1(846.46,157.48) 877.95,188.98 877.95,222.44 909.45,253.94 909.45,322.83 960.63,374.02 1279.53,374.02 1299.21,393.7 v1(1299.21,421.26)
GPIO_17: J1.154 U4.W13 | length 877.3
  Component Side w6: v1(1362.2,452.76) U4.W13@1377.95,468.5
  Inner Layer 3 w4.5: v1(870.08,303.15) 870.08,326.77 917.32,374.02 1330.71,374.02 1346.46,389.76 1346.46,437.01 v1(1362.2,452.76)
  Solder Side w6: J1.154@858.27,55.12 858.27,110.24 850.39,118.11 850.39,133.86 870.08,153.54 v1(870.08,303.15)
GPIO_18: J1.33 U4.Y12 | length 786.3
  Component Side w6: v1(870.08,125.98) 877.95,118.11 877.95,59.06 J1.33@881.89,55.12 ; U4.Y12@1346.46,437.01 v1(1362.2,421.26)
  Inner Layer 4 w4.5: v1(870.08,125.98) 929.13,185.04 929.13,267.72 952.76,291.34 952.76,334.65 976.38,358.27 1299.21,358.27 v1(1362.2,421.26)
GPIO_19: J1.155 U4.V13 | length 898.6
  Component Side w6: U4.V13@1377.95,500 v1(1393.7,484.25)
  Inner Layer 3 w4.5: v1(893.7,204.72) 893.7,299.21 952.76,358.27 1354.33,358.27 1377.95,381.89 1377.95,468.5 v1(1393.7,484.25)
  Solder Side w6: J1.155@881.89,55.12 881.89,110.24 893.7,122.05 v1(893.7,204.72)
GPIO_20: J1.35 U4.R14 | length 995.6
  Component Side w6: v1(917.32,125.98) 925.2,118.11 925.2,59.06 J1.35@929.13,55.12 ; U4.R14@1409.45,594.49 v1(1425.2,578.74)
  Inner Layer 1 w4.5: v1(917.32,125.98) 937.01,145.67 937.01,267.72 952.76,283.46 952.76,311.02 1000,358.27 1354.33,358.27 1409.45,413.39 1409.45,496.06 1413.39,500 1437.01,500 1440.94,503.94 1440.94,562.99 v1(1425.2,578.74)
GPIO_21: J1.157 U4.W18 | length 957.6
  Component Side w6: v1(929.13,303.15) 929.9,303.91 984.25,358.27 1456.69,358.27 v1(1519.68,421.26) ; v1(1519.68,452.76) U4.W18@1535.43,468.5
  Solder Side w6: J1.157@929.13,55.12 929.13,110.24 937.01,118.11 937.01,133.86 917.32,153.54 917.32,291.34 v1(929.13,303.15) ; v1(1519.68,421.26) v1(1519.68,452.76)
GPIO_22: J1.36 U4.W15 | length 864
  Component Side w6: J1.36@952.76,55.12 948.82,59.06 948.82,133.86 933.07,149.61 933.07,173.23 v1(964.57,204.72) ; v1(1425.2,452.76) U4.W15@1440.94,468.5
  Inner Layer 1 w4.5: v1(964.57,204.72) 976.38,216.54 976.38,271.65 1000,295.28 1000,307.09 1035.43,342.52 1409.45,342.52 1440.94,374.02 1440.94,437.01 v1(1425.2,452.76)
GPIO_23: J1.158 U4.V16 | length 920.4
  Component Side w6: v1(1456.69,484.25) U4.V16@1472.44,500
  Inner Layer 3 w4.5: v1(952.76,255.91) 952.76,311.02 984.25,342.52 1389.76,342.52 1409.45,362.2 1409.45,464.57 1413.39,468.5 1440.94,468.5 v1(1456.69,484.25)
  Solder Side w6: J1.158@952.76,55.12 952.76,141.73 944.88,149.61 944.88,248.03 v1(952.76,255.91)
GPIO_24: J1.37 U4.T16 | length 939.1
  Component Side w6: v1(964.57,157.48) 964.57,122.05 972.44,114.17 972.44,59.06 J1.37@976.38,55.12 ; v1(1456.69,547.24) U4.T16@1472.44,562.99
  Inner Layer 1 w4.5: v1(964.57,157.48) 996.06,188.98 996.06,220.47 1027.56,251.97 1027.56,283.46 1070.87,326.77 1417.32,326.77 1472.44,381.89 1472.44,531.5 v1(1456.69,547.24)
GPIO_25: J1.159 U4.T17 | length 1022.3
  Component Side w6: v1(1488.19,578.74) U4.T17@1503.94,562.99
  Inner Layer 4 w4.5: v1(976.38,303.15) 976.38,318.9 1000,342.52 1338.58,342.52 1377.95,381.89 1377.95,559.06 1381.89,562.99 1472.44,562.99 v1(1488.19,578.74)
  Solder Side w6: J1.159@976.38,55.12 976.38,110.24 968.5,118.11 968.5,133.86 984.25,149.61 984.25,224.41 976.38,232.28 v1(976.38,303.15)
GPIO_26: J1.38 U4.U17 | length 932.5
  Component Side w6: v1@988.19,129.92 v1(988.19,125.98) 996.06,118.11 996.06,59.06 J1.38@1000,55.12 ; v1(1488.19,547.24) U4.U17@1503.94,531.5
  Inner Layer 1 w4.5: v1(988.19,125.98) 1013.78,151.57 1013.78,171.26 1027.56,185.04 1055.12,185.04 1070.87,200.79 1070.87,251.97 1098.43,279.53 1153.54,279.53 1185.04,311.02 1425.2,311.02 1503.94,389.76 1503.94,531.5 v1(1488.19,547.24)
GPIO_27: J1.160 U4.Y18 | length 873.1
  Component Side w6: v1(1000,255.91) 1000,322.83 1019.68,342.52 1468.5,342.52 1535.43,409.45 U4.Y18@1535.43,437.01
  Solder Side w6: J1.160@1000,55.12 1000,110.24 1007.87,118.11 1007.87,133.86 1000,141.73 v1(1000,255.91)
GPIO_28: J1.39 U4.Y14 | length 811.2
  Component Side w6: J1.39@1023.62,55.12 1019.68,59.06 1019.68,133.86 1003.94,149.61 1003.94,173.23 v1(1035.43,204.72) ; v1(1393.7,421.26) U4.Y14@1409.45,437.01
  Inner Layer 2 w4.5: v1(1035.43,204.72) 1011.81,204.72 980.31,236.22 980.31,271.65 1000,291.34 1000,334.65 1039.37,374.02 1370.08,374.02 1393.7,397.64 v1(1393.7,421.26)
GPIO_29: J1.161 U4.W16 | length 818
  Component Side w6: v1(1456.69,452.76) U4.W16@1472.44,468.5
  Inner Layer 3 w4.5: v1(1023.62,303.15) 1047.24,326.77 1409.45,326.77 1440.94,358.27 1440.94,437.01 v1(1456.69,452.76)
  Solder Side w6: J1.161@1023.62,55.12 1023.62,141.73 1015.75,149.61 1015.75,224.41 1023.62,232.28 v1(1023.62,303.15)
GPIO_30: J1.40 U4.W14 | length 818.5
  Component Side w6: v1(1035.43,157.48) 1035.43,122.05 1043.31,114.17 1043.31,59.06 J1.40@1047.24,55.12 ; v1(1393.7,452.76) U4.W14@1409.45,468.5
  Inner Layer 2 w4.5: v1(1035.43,157.48) 1059.06,181.1 1059.06,212.6 1039.37,232.28 1031.5,232.28 1023.62,240.16 1023.62,275.59 1047.24,299.21 1047.24,338.58 1066.93,358.27 1405.51,358.27 1409.45,362.2 1409.45,437.01 v1(1393.7,452.76)
GPIO_31: J1.162 U4.V17 | length 897.7
  Component Side w6: U4.V17@1503.94,500 v1(1519.68,484.25)
  Inner Layer 4 w4.5: v1(1047.24,255.91) 1047.24,307.09 1066.93,326.77 1381.89,326.77 1409.45,354.33 1409.45,464.57 1413.39,468.5 1503.94,468.5 v1(1519.68,484.25)
  Solder Side w6: J1.162@1047.24,55.12 1047.24,110.24 1039.37,118.11 1039.37,133.86 1055.12,149.61 1055.12,224.41 1047.24,232.28 v1(1047.24,255.91)
GPIO_32: J1.41 U4.U14 | length 845.4
  Component Side w6: v1(1059.06,125.98) 1066.93,118.11 1066.93,59.06 J1.41@1070.87,55.12 ; U4.U14@1409.45,531.5 v1(1425.2,515.75)
  Inner Layer 2 w4.5: v1(1059.06,125.98) 1078.74,145.67 1078.74,279.53 1141.73,342.52 1425.2,342.52 1440.94,358.27 1440.94,464.57 1437.01,468.5 1413.39,468.5 1409.45,472.44 1409.45,500 v1(1425.2,515.75)
GPIO_33: J1.163 U4.W19 | length 851.4
  Component Side w6: v1(1070.87,303.15) 1094.49,326.77 1480.31,326.77 1551.18,397.64 v1(1551.18,421.26) ; v1(1551.18,452.76) U4.W19@1566.93,468.5
  Solder Side w6: J1.163@1070.87,55.12 1070.87,110.24 1078.74,118.11 1078.74,133.86 1070.87,141.73 v1(1070.87,303.15) ; v1(1551.18,421.26) v1(1551.18,452.76)
GPIO_34: J1.42 U4.Y16 | length 702.4
  Component Side w6: J1.42@1094.49,55.12 1090.55,59.06 1090.55,133.86 1074.8,149.61 1074.8,173.23 v1(1106.3,204.72) ; v1(1456.69,421.26) U4.Y16@1472.44,437.01
  Inner Layer 2 w4.5: v1(1106.3,204.72) 1129.92,228.35 1129.92,267.72 1188.98,326.77 1440.94,326.77 1456.69,342.52 v1(1456.69,421.26)
GPIO_35: J1.164 U4.Y19 | length 777.8
  Component Side w6: v1(1106.3,255.91) 1114.17,255.91 1169.29,311.02 1492.13,311.02 1566.93,385.83 U4.Y19@1566.93,437.01
  Solder Side w6: J1.164@1094.49,55.12 1094.49,141.73 1086.61,149.61 1086.61,216.54 1106.3,236.22 v1(1106.3,255.91)
GPIO_36: J1.43 U4.V15 | length 818.2
  Component Side w6: v1(1106.3,157.48) 1106.3,122.05 1114.17,114.17 1114.17,59.06 J1.43@1118.11,55.12 ; v1(1425.2,484.25) U4.V15@1440.94,500
  Inner Layer 2 w4.5: v1(1106.3,157.48) 1169.29,220.47 1169.29,279.53 1200.79,311.02 1444.88,311.02 1472.44,338.58 1472.44,496.06 1468.5,500 1440.94,500 v1(1425.2,484.25)
GPIO_37: J1.165 U4.V18 | length 817.2
  Component Side w6: U4.V18@1535.43,500 v1(1551.18,484.25)
  Inner Layer 4 w4.5: v1(1129.92,303.15) 1137.8,311.02 1444.88,311.02 1535.43,401.57 1535.43,468.5 v1(1551.18,484.25)
  Solder Side w6: J1.165@1118.11,55.12 1118.11,110.24 1110.24,118.11 1110.24,137.8 1129.92,157.48 v1(1129.92,303.15)
GPIO_38: J1.44 U4.Y17 | length 673.2
  Component Side w6: v1(1129.92,125.98) 1137.8,118.11 1137.8,59.06 J1.44@1141.73,55.12 ; v1(1488.19,421.26) U4.Y17@1503.94,437.01
  Inner Layer 2 w4.5: v1(1129.92,125.98) 1129.92,141.73 1208.66,220.47 1208.66,275.59 1228.35,295.28 1452.76,295.28 1488.19,330.71 v1(1488.19,421.26)
GPIO_39: J1.166 U4.W20 | length 803.4
  Component Side w6: v1(1149.61,255.91) 1188.98,295.28 1503.94,295.28 1618.11,409.45 1618.11,448.82 U4.W20@1598.43,468.5
  Solder Side w6: J1.166@1141.73,55.12 1141.73,110.24 1149.61,118.11 v1(1149.61,255.91)